# KiCad board TEST_PANEL.kicad_pcb (continued)
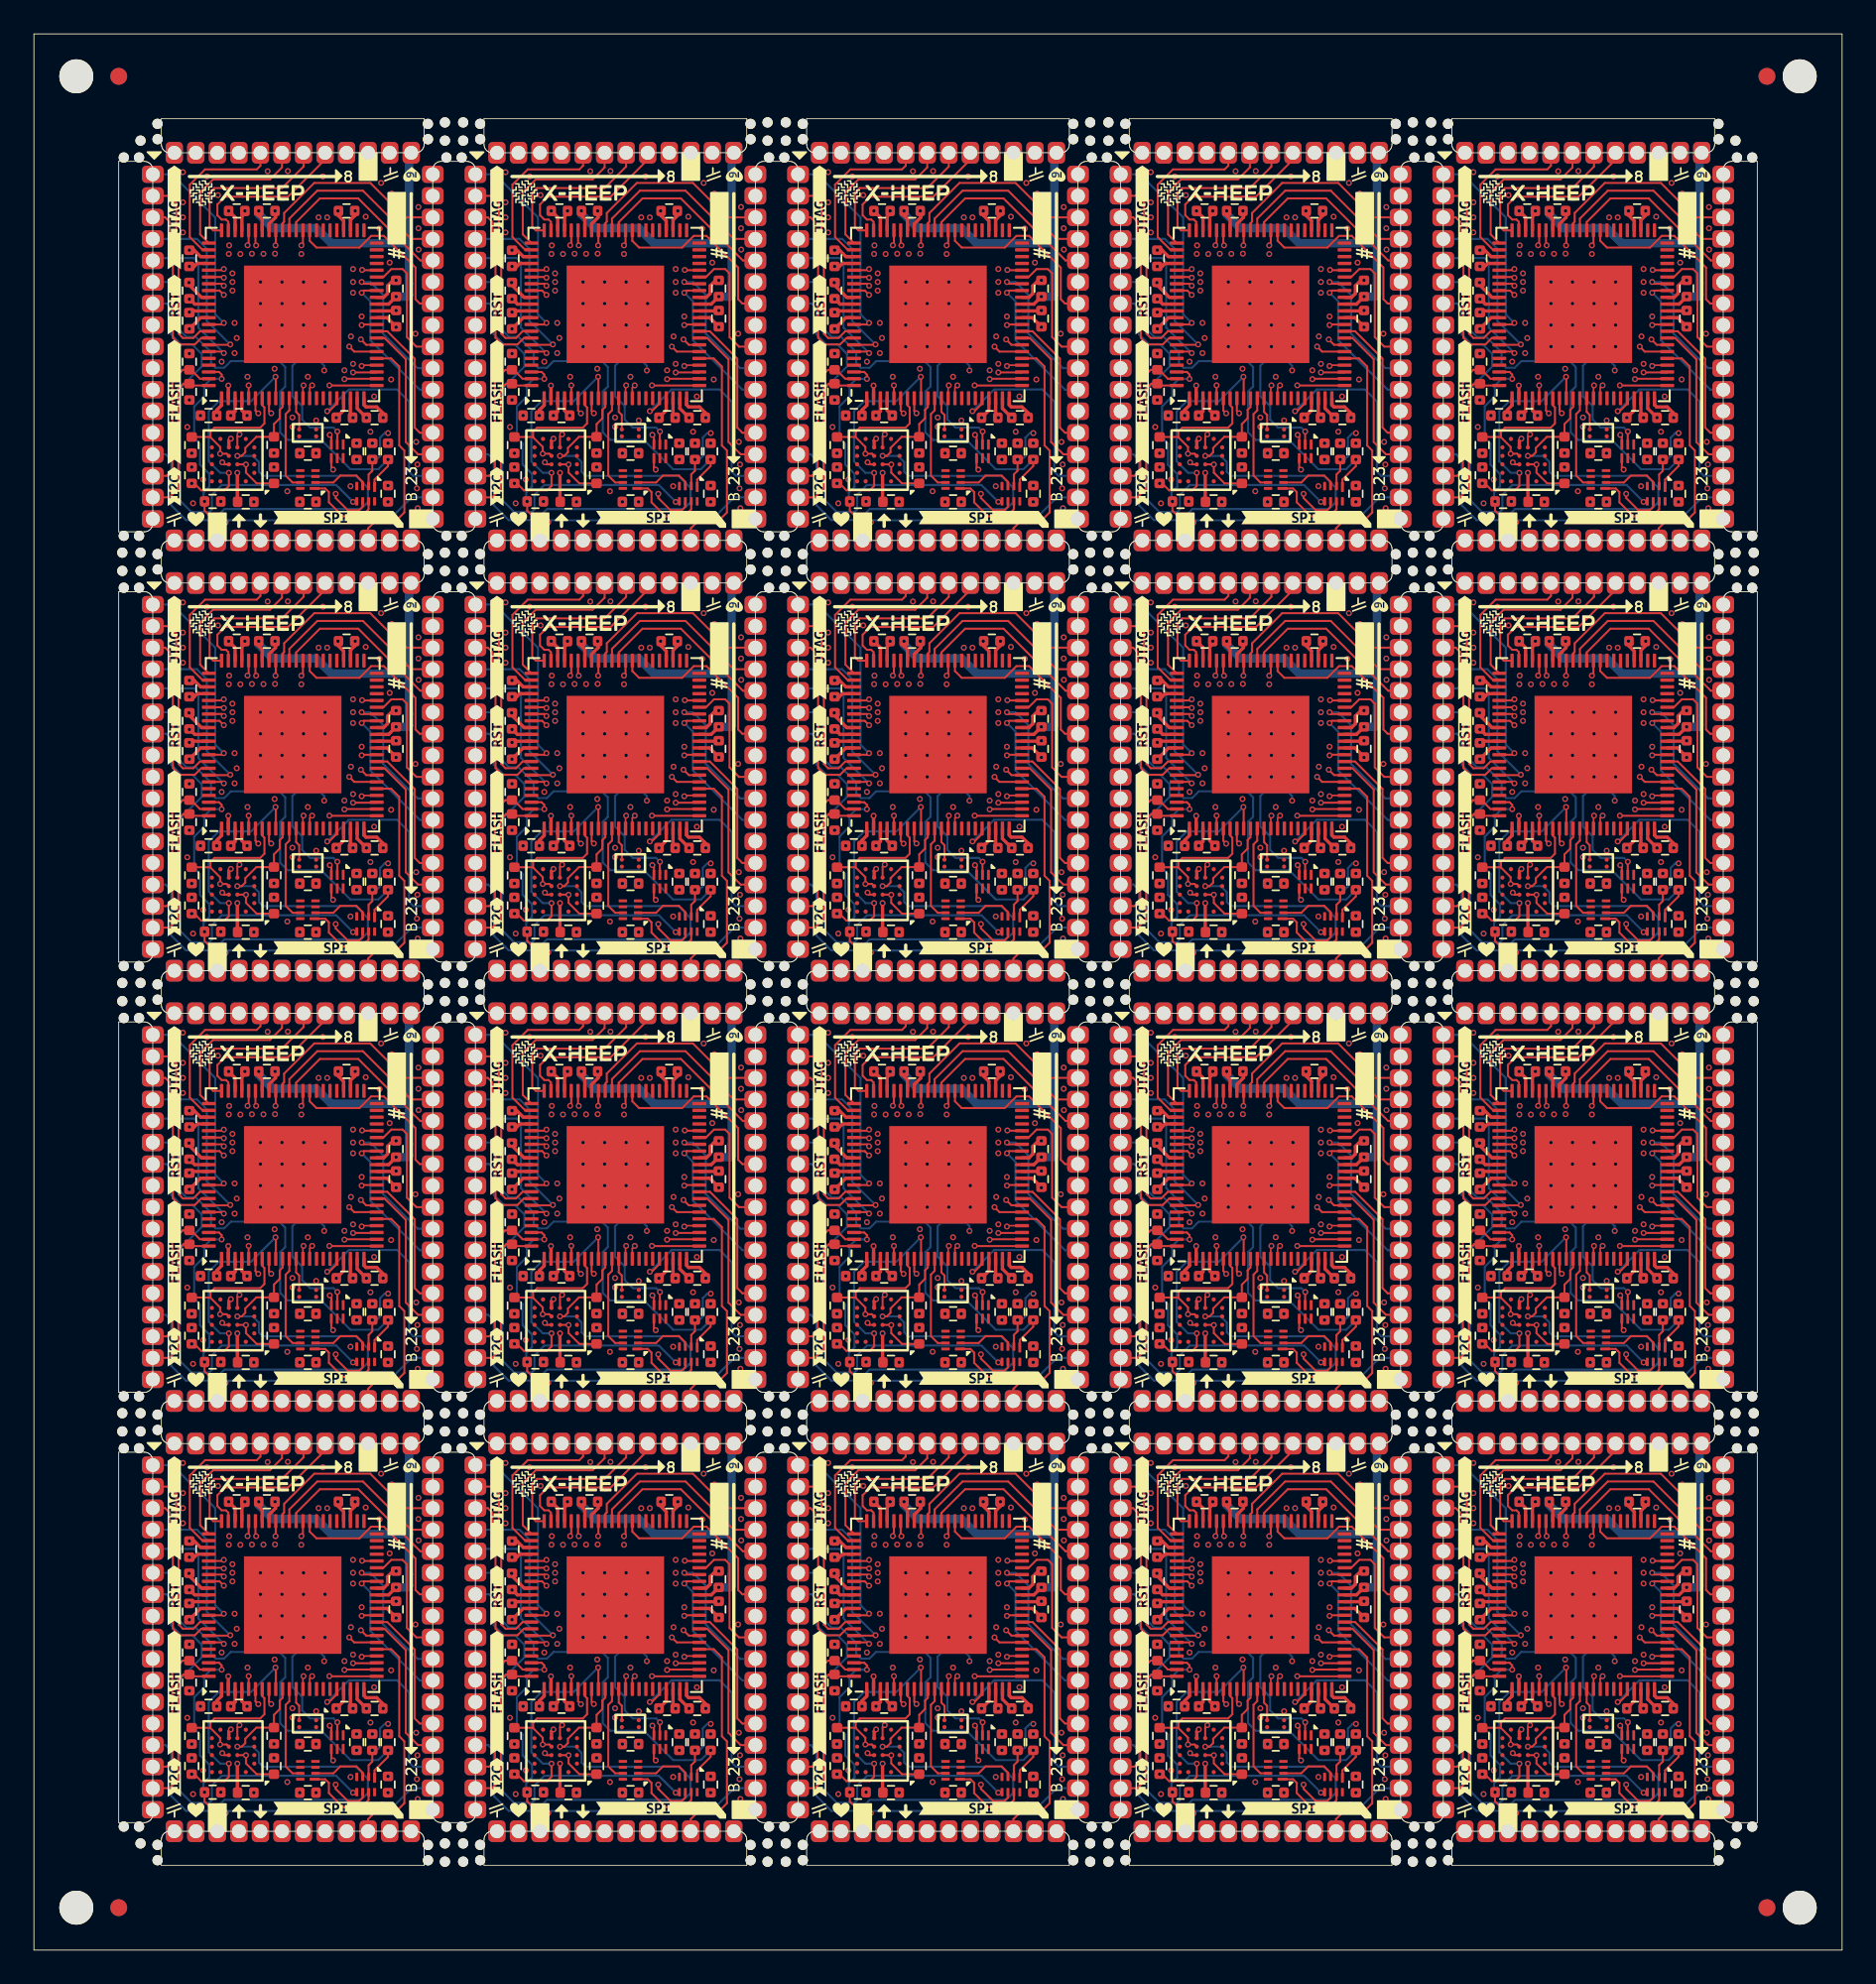
[diagram p0: board, top side]
## Placement (name value [footprint] x y rotation side) (continued)
R94  10K0  [R0402]  9.31 61.59 270 top
R95  10K0  [R0402]  14.16 63.38 90 top
R96  10K0  [R0402]  9.31 63.37 90 top
R97  10K0  [R0402]  14.16 61.59 270 top
R98  100K  [R0402]  20.88 63 270 top
R99  100K  [R0402]  19.95 63 270 top
R100  10K0  [R0402]  29.57 60.05 180 top
R101  10K0  [R0402]  28.19 66.51 90 top
R102  10K0  [R0402]  28.19 68.29 270 top
R103  10K0  [R0402]  28.33 61.59 270 top
R104  10K0  [R0402]  33.18 63.38 90 top
R105  10K0  [R0402]  28.33 63.37 90 top
R106  10K0  [R0402]  33.18 61.59 270 top
R107  100K  [R0402]  39.91 63 270 top
R108  100K  [R0402]  38.98 63 270 top
R109  10K0  [R0402]  48.59 60.05 180 top
R110  10K0  [R0402]  47.22 66.51 90 top
R111  10K0  [R0402]  47.22 68.29 270 top
R112  10K0  [R0402]  47.36 61.59 270 top
R113  10K0  [R0402]  52.21 63.38 90 top
R114  10K0  [R0402]  47.36 63.37 90 top
R115  10K0  [R0402]  52.21 61.59 270 top
R116  100K  [R0402]  58.93 63 270 top
R117  100K  [R0402]  58.01 63 270 top
R118  10K0  [R0402]  67.62 60.05 180 top
R119  10K0  [R0402]  66.25 66.51 90 top
R120  10K0  [R0402]  66.25 68.29 270 top
R121  10K0  [R0402]  66.38 61.59 270 top
R122  10K0  [R0402]  71.23 63.38 90 top
R123  10K0  [R0402]  66.38 63.37 90 top
R124  10K0  [R0402]  71.23 61.59 270 top
R125  100K  [R0402]  77.96 63 270 top
R126  100K  [R0402]  77.03 63 270 top
R127  10K0  [R0402]  86.65 60.05 180 top
R128  10K0  [R0402]  85.27 66.51 90 top
R129  10K0  [R0402]  85.27 68.29 270 top
R130  10K0  [R0402]  85.41 61.59 270 top
R131  10K0  [R0402]  90.26 63.38 90 top
R132  10K0  [R0402]  85.41 63.37 90 top
R133  10K0  [R0402]  90.26 61.59 270 top
R134  100K  [R0402]  96.98 63 270 top
R135  100K  [R0402]  96.06 63 270 top
R136  10K0  [R0402]  10.54 85.42 180 top
R137  10K0  [R0402]  9.17 91.88 90 top
R138  10K0  [R0402]  9.17 93.66 270 top
R139  10K0  [R0402]  9.31 86.96 270 top
R140  10K0  [R0402]  14.16 88.75 90 top
R141  10K0  [R0402]  9.31 88.74 90 top
R142  10K0  [R0402]  14.16 86.96 270 top
R143  100K  [R0402]  20.88 88.37 270 top
R144  100K  [R0402]  19.95 88.37 270 top
R145  10K0  [R0402]  29.57 85.42 180 top
R146  10K0  [R0402]  28.19 91.88 90 top
R147  10K0  [R0402]  28.19 93.66 270 top
R148  10K0  [R0402]  28.33 86.96 270 top
R149  10K0  [R0402]  33.18 88.75 90 top
R150  10K0  [R0402]  28.33 88.74 90 top
R151  10K0  [R0402]  33.18 86.96 270 top
R152  100K  [R0402]  39.91 88.37 270 top
R153  100K  [R0402]  38.98 88.37 270 top
R154  10K0  [R0402]  48.59 85.42 180 top
R155  10K0  [R0402]  47.22 91.88 90 top
R156  10K0  [R0402]  47.22 93.66 270 top
R157  10K0  [R0402]  47.36 86.96 270 top
R158  10K0  [R0402]  52.21 88.75 90 top
R159  10K0  [R0402]  47.36 88.74 90 top
R160  10K0  [R0402]  52.21 86.96 270 top
R161  100K  [R0402]  58.93 88.37 270 top
R162  100K  [R0402]  58.01 88.37 270 top
R163  10K0  [R0402]  67.62 85.42 180 top
R164  10K0  [R0402]  66.25 91.88 90 top
R165  10K0  [R0402]  66.25 93.66 270 top
R166  10K0  [R0402]  66.38 86.96 270 top
R167  10K0  [R0402]  71.23 88.75 90 top
R168  10K0  [R0402]  66.38 88.74 90 top
R169  10K0  [R0402]  71.23 86.96 270 top
R170  100K  [R0402]  77.96 88.37 270 top
R171  100K  [R0402]  77.03 88.37 270 top
R172  10K0  [R0402]  86.65 85.42 180 top
R173  10K0  [R0402]  85.27 91.88 90 top
R174  10K0  [R0402]  85.27 93.66 270 top
R175  10K0  [R0402]  85.41 86.96 270 top
R176  10K0  [R0402]  90.26 88.75 90 top
R177  10K0  [R0402]  85.41 88.74 90 top
R178  10K0  [R0402]  90.26 86.96 270 top
R179  100K  [R0402]  96.98 88.37 270 top
R180  100K  [R0402]  96.06 88.37 270 top
U1  -  [HEEPocrates]  15.26 20.34 90 top
U2  W25Q128JWYIQ  [WLCSP-21]  11.75 11.75 180 top
U3  ~  [X2SON-8]  19.56 9.76 270 top
U4  ~  [X2SON-8]  16.15 10.6 180 top
U5  ~  [X2SON-6]  17.89 12.26 270 top
U6  -  [HEEPocrates]  34.29 20.34 90 top
U7  W25Q128JWYIQ  [WLCSP-21]  30.77 11.75 180 top
U8  ~  [X2SON-8]  38.59 9.76 270 top
U9  ~  [X2SON-8]  35.18 10.6 180 top
U10  ~  [X2SON-6]  36.91 12.26 270 top
U11  -  [HEEPocrates]  53.31 20.34 90 top
U12  W25Q128JWYIQ  [WLCSP-21]  49.8 11.75 180 top
U13  ~  [X2SON-8]  57.61 9.76 270 top
U14  ~  [X2SON-8]  54.21 10.6 180 top
U15  ~  [X2SON-6]  55.94 12.26 270 top
U16  -  [HEEPocrates]  72.34 20.34 90 top
U17  W25Q128JWYIQ  [WLCSP-21]  68.82 11.75 180 top
U18  ~  [X2SON-8]  76.64 9.76 270 top
U19  ~  [X2SON-8]  73.23 10.6 180 top
U20  ~  [X2SON-6]  74.97 12.26 270 top
U21  -  [HEEPocrates]  91.37 20.34 90 top
U22  W25Q128JWYIQ  [WLCSP-21]  87.85 11.75 180 top
U23  ~  [X2SON-8]  95.67 9.76 270 top
U24  ~  [X2SON-8]  92.26 10.6 180 top
U25  ~  [X2SON-6]  93.99 12.26 270 top
U26  -  [HEEPocrates]  15.26 45.71 90 top
U27  W25Q128JWYIQ  [WLCSP-21]  11.75 37.12 180 top
U28  ~  [X2SON-8]  19.56 35.13 270 top
U29  ~  [X2SON-8]  16.15 35.97 180 top
U30  ~  [X2SON-6]  17.89 37.63 270 top
U31  -  [HEEPocrates]  34.29 45.71 90 top
U32  W25Q128JWYIQ  [WLCSP-21]  30.77 37.12 180 top
U33  ~  [X2SON-8]  38.59 35.13 270 top
U34  ~  [X2SON-8]  35.18 35.97 180 top
U35  ~  [X2SON-6]  36.91 37.63 270 top
U36  -  [HEEPocrates]  53.31 45.71 90 top
U37  W25Q128JWYIQ  [WLCSP-21]  49.8 37.12 180 top
U38  ~  [X2SON-8]  57.61 35.13 270 top
U39  ~  [X2SON-8]  54.21 35.97 180 top
U40  ~  [X2SON-6]  55.94 37.63 270 top
U41  -  [HEEPocrates]  72.34 45.71 90 top
U42  W25Q128JWYIQ  [WLCSP-21]  68.82 37.12 180 top
U43  ~  [X2SON-8]  76.64 35.13 270 top
U44  ~  [X2SON-8]  73.23 35.97 180 top
U45  ~  [X2SON-6]  74.97 37.63 270 top
U46  -  [HEEPocrates]  91.37 45.71 90 top
U47  W25Q128JWYIQ  [WLCSP-21]  87.85 37.12 180 top
U48  ~  [X2SON-8]  95.67 35.13 270 top
U49  ~  [X2SON-8]  92.26 35.97 180 top
U50  ~  [X2SON-6]  93.99 37.63 270 top
U51  -  [HEEPocrates]  15.26 71.08 90 top
U52  W25Q128JWYIQ  [WLCSP-21]  11.75 62.49 180 top
U53  ~  [X2SON-8]  19.56 60.5 270 top
U54  ~  [X2SON-8]  16.15 61.34 180 top
U55  ~  [X2SON-6]  17.89 63 270 top
U56  -  [HEEPocrates]  34.29 71.08 90 top
U57  W25Q128JWYIQ  [WLCSP-21]  30.77 62.49 180 top
U58  ~  [X2SON-8]  38.59 60.5 270 top
U59  ~  [X2SON-8]  35.18 61.34 180 top
U60  ~  [X2SON-6]  36.91 63 270 top
U61  -  [HEEPocrates]  53.31 71.08 90 top
U62  W25Q128JWYIQ  [WLCSP-21]  49.8 62.49 180 top
U63  ~  [X2SON-8]  57.61 60.5 270 top
U64  ~  [X2SON-8]  54.21 61.34 180 top
U65  ~  [X2SON-6]  55.94 63 270 top
U66  -  [HEEPocrates]  72.34 71.08 90 top
U67  W25Q128JWYIQ  [WLCSP-21]  68.82 62.49 180 top
U68  ~  [X2SON-8]  76.64 60.5 270 top
U69  ~  [X2SON-8]  73.23 61.34 180 top
U70  ~  [X2SON-6]  74.97 63 270 top
U71  -  [HEEPocrates]  91.37 71.08 90 top
U72  W25Q128JWYIQ  [WLCSP-21]  87.85 62.49 180 top
U73  ~  [X2SON-8]  95.67 60.5 270 top
U74  ~  [X2SON-8]  92.26 61.34 180 top
U75  ~  [X2SON-6]  93.99 63 270 top
U76  -  [HEEPocrates]  15.26 96.46 90 top
U77  W25Q128JWYIQ  [WLCSP-21]  11.75 87.86 180 top
U78  ~  [X2SON-8]  19.56 85.88 270 top
U79  ~  [X2SON-8]  16.15 86.71 180 top
U80  ~  [X2SON-6]  17.89 88.37 270 top
U81  -  [HEEPocrates]  34.29 96.46 90 top
U82  W25Q128JWYIQ  [WLCSP-21]  30.77 87.86 180 top
U83  ~  [X2SON-8]  38.59 85.88 270 top
U84  ~  [X2SON-8]  35.18 86.71 180 top
U85  ~  [X2SON-6]  36.91 88.37 270 top
U86  -  [HEEPocrates]  53.31 96.46 90 top
U87  W25Q128JWYIQ  [WLCSP-21]  49.8 87.86 180 top
U88  ~  [X2SON-8]  57.61 85.88 270 top
U89  ~  [X2SON-8]  54.21 86.71 180 top
U90  ~  [X2SON-6]  55.94 88.37 270 top
U91  -  [HEEPocrates]  72.34 96.46 90 top
U92  W25Q128JWYIQ  [WLCSP-21]  68.82 87.86 180 top
U93  ~  [X2SON-8]  76.64 85.88 270 top
U94  ~  [X2SON-8]  73.23 86.71 180 top
U95  ~  [X2SON-6]  74.97 88.37 270 top
U96  -  [HEEPocrates]  91.37 96.46 90 top
U97  W25Q128JWYIQ  [WLCSP-21]  87.85 87.86 180 top
U98  ~  [X2SON-8]  95.67 85.88 270 top
U99  ~  [X2SON-8]  92.26 86.71 180 top
U100  ~  [X2SON-6]  93.99 88.37 270 top

## Library data of the parts
C1-C340 = -: Datasheet: https://www.mouser.es/datasheet/2/281/1/GRM155R71A104JA01_01A-1984196.pdf; Description: Multilayer Ceramic Capacitors MLCC - SMD/SMT 0.1 uF 10 VDC 5% 0402 X7R; MPN: GRM155R71A104JA01D
J1-J20 = -: Description: CHEEP_Board_Castellated_Conn_1.27mm
OSC1-OSC20 = -: Datasheet: https://www.mouser.es/datasheet/2/371/SiT1532_datasheet-1324404.pdf; Description: Standard Clock Oscillators 32.768kHz 75ppm -10C +70C
R1-R7 R10-R16 R19-R25 R28-R34 R37-R43 R46-R52 R55-R61 R64-R70 R73-R79 R82-R88 R91-R97 R100-R106 R109-R115 R118-R124 R127-R133 R136-R142 R145-R151 R154-R160 R163-R169 R172-R178 = -: Datasheet: https://www.vishay.com/doc?20043; Description: Thick Film Resistors - SMD 0.2W 10Kohms 1% High Power AEC-Q200; MPN: CRCW040210K0FKEDHP
R8 R9 R17 R18 R26 R27 R35 R36 R44 R45 R53 R54 R62 R63 R71 R72 R80 R81 R89 R90 R98 R99 R107 R108 R116 R117 R125 R126 R134 R135 R143 R144 R152 R153 R161 R162 R170 R171 R179 R180 = -: Datasheet: https://www.vishay.com/doc?28773; Description: Thick Film Resistors - SMD 1/16watt 100Kohms 1% Commercial Use; MPN: CRCW0402100KFKEDC
U1 U6 U11 U16 U21 U26 U31 U36 U41 U46 U51 U56 U61 U66 U71 U76 U81 U86 U91 U96 = -: Datasheet: https://x-heep.readthedocs.io/en/latest/
U2 U7 U12 U17 U22 U27 U32 U37 U42 U47 U52 U57 U62 U67 U72 U77 U82 U87 U92 U97 = -: Datasheet: https://www.mouser.es/datasheet/2/949/W25Q128JW_RevB_11042019-1761358.pdf; Description: NOR Flash spiFlash, 1.8V, 128M-bit, 4Kb Uniform Sector
U3 U4 U8 U9 U13 U14 U18 U19 U23 U24 U28 U29 U33 U34 U38 U39 U43 U44 U48 U49 U53 U54 U58 U59 U63 U64 U68 U69 U73 U74 U78 U79 U83 U84 U88 U89 U93 U94 U98 U99 = -: Datasheet: https://www.ti.com/lit/gpn/sn74aup2g08; Description: Logic Gates Low-Pwr Dual 2-Inp Pos-AND Gate; MPN: SN74AUP2G08DQER
U5 U10 U15 U20 U25 U30 U35 U40 U45 U50 U55 U60 U65 U70 U75 U80 U85 U90 U95 U100 = -: Datasheet: https://www.ti.com/lit/gpn/sn74aup1g14; Description: Inverters Low-Pwr Sgl Schmitt- Trigger Inverter; MPN: SN74AUP1G14DSFR

## Footprints (pads in the part's own frame, mm; a bottom-side part is the same pattern mirrored in y, then rotated)
C0402
  rrect 0.57x0.62 smd: 1(-0.48,0) 2(0.48,0)
CHEEP_Board_Castellated_Conn_1.27mm
  rrect 1.28x1.02 hole 0.82: 1(-8.255,11.43) 2(-8.255,10.16) 3(-8.255,8.89) 4(-8.255,7.62) 5(-8.255,6.35) 6(-8.255,5.08) 7(-8.255,3.81) 8(-8.255,2.54) 9(-8.255,1.27) 10(-8.255,0) 11(-8.255,-1.27) 12(-8.255,-2.54) 13(-8.255,-3.81) 14(-8.255,-5.08) 15(-8.255,-6.35) 16(-8.255,-7.62) 17(-8.255,-8.89) 30(8.255,-8.89) 31(8.255,-7.62) 32(8.255,-6.35) 33(8.255,-5.08) 34(8.255,-3.81) 35(8.255,-2.54) 36(8.255,-1.27) 37(8.255,0) 38(8.255,1.27) 39(8.255,2.54) 40(8.255,3.81) 41(8.255,5.08) 42(8.255,6.35) 43(8.255,7.62) 44(8.255,8.89) 45(8.255,10.16) 46(8.255,11.43)
  rrect 1.02x1.28 hole 0.82: 18(-6.985,-10.16) 19(-5.715,-10.16) 20(-4.445,-10.16) 21(-3.175,-10.16) 22(-1.905,-10.16) 23(-0.635,-10.16) 24(0.635,-10.16) 25(1.905,-10.16) 26(3.175,-10.16) 27(4.445,-10.16) 28(5.715,-10.16) 29(6.985,-10.16) 47(6.985,12.7) 48(5.715,12.7) 49(4.445,12.7) 50(3.175,12.7) 51(1.905,12.7) 52(0.635,12.7) 53(-0.635,12.7) 54(-1.905,12.7) 55(-3.175,12.7) 56(-4.445,12.7) 57(-5.715,12.7) 58(-6.985,12.7)
Fiducial
  round 1 smd: (0,0)
HEEPocrates
  rrect 1.02x1.02 smd: (-1.27,1.27) (-1.27,0) (-1.27,-1.27) (0,1.27) (0,0) (0,-1.27) (1.27,1.27) (1.27,0) (1.27,-1.27)
  rrect 0.825x0.2 smd: 1(-4.95,4.2) 2(-4.95,3.8) 3(-4.95,3.4) 4(-4.95,3) 5(-4.95,2.6) 6(-4.95,2.2) 7(-4.95,1.8) 8(-4.95,1.4) 9(-4.95,1) 10(-4.95,0.6) 11(-4.95,0.2) 12(-4.95,-0.2) 13(-4.95,-0.6) 14(-4.95,-1) 15(-4.95,-1.4) 16(-4.95,-1.8) 17(-4.95,-2.2) 18(-4.95,-2.6) 19(-4.95,-3) 20(-4.95,-3.4) 21(-4.95,-3.8) 22(-4.95,-4.2) 45(4.95,-4.2) 46(4.95,-3.8) 47(4.95,-3.4) 48(4.95,-3) 49(4.95,-2.6) 50(4.95,-2.2) 51(4.95,-1.8) 52(4.95,-1.4) 53(4.95,-1) 54(4.95,-0.6) 55(4.95,-0.2) 56(4.95,0.2) 57(4.95,0.6) 58(4.95,1) 59(4.95,1.4) 60(4.95,1.8) 61(4.95,2.2) 62(4.95,2.6) 63(4.95,3) 64(4.95,3.4) 65(4.95,3.8) 66(4.95,4.2)
  rrect 0.2x0.825 smd: 23(-4.2,-4.95) 24(-3.8,-4.95) 25(-3.4,-4.95) 26(-3,-4.95) 27(-2.6,-4.95) 28(-2.2,-4.95) 29(-1.8,-4.95) 30(-1.4,-4.95) 31(-1,-4.95) 32(-0.6,-4.95) 33(-0.2,-4.95) 34(0.2,-4.95) 35(0.6,-4.95) 36(1,-4.95) 37(1.4,-4.95) 38(1.8,-4.95) 39(2.2,-4.95) 40(2.6,-4.95) 41(3,-4.95) 42(3.4,-4.95) 43(3.8,-4.95) 44(4.2,-4.95) 67(4.2,4.95) 68(3.8,4.95) 69(3.4,4.95) 70(3,4.95) 71(2.6,4.95) 72(2.2,4.95) 73(1.8,4.95) 74(1.4,4.95) 75(1,4.95) 76(0.6,4.95) 77(0.2,4.95) 78(-0.2,4.95) 79(-0.6,4.95) 80(-1,4.95) 81(-1.4,4.95) 82(-1.8,4.95) 83(-2.2,4.95) 84(-2.6,4.95) 85(-3,4.95) 86(-3.4,4.95) 87(-3.8,4.95) 88(-4.2,4.95)
  rect 5.75x5.75 smd: 89(0,0)
NPTH
  round 0.6 hole 0.6 unplated: (-0.1,-0.218)
NPTH#2
  round 0.6 hole 0.6 unplated: (0.234,0)
NPTH#3
  round 2 hole 2 unplated: (0.3,0.089)
R0402
  rrect 0.57x0.62 smd: 1(-0.48,0) 2(0.48,0)
SIT1532AC
  round 0.25 smd: 1(-0.5,-0.205) 2(0.5,-0.205) 3(0.5,0.205) 4(-0.5,0.205)
unnamed
  round 0.6 hole 0.6 unplated: (-0.074,0)
unnamed#2
  round 0.6 hole 0.6 unplated: (0,0)
unnamed#3
  round 2 hole 2 unplated: (-0.57,-0.015)
WLCSP-21
  round 0.25 smd: A2(-0.75,1.25) A5(0.75,1.25) A6(1.25,1.25) B1(-1.25,0.75) B3(-0.25,0.75) B4(0.25,0.75) B6(1.25,0.75) C1(-1.25,0.25) C3(-0.25,0.25) C4(0.25,0.25) C6(1.25,0.25) D1(-1.25,-0.25) D3(-0.25,-0.25) D4(0.25,-0.25) D6(1.25,-0.25) E1(-1.25,-0.75) E3(-0.25,-0.75) E4(0.25,-0.75) E6(1.25,-0.75) F2(-0.75,-1.25) F5(0.75,-1.25)
X2SON-6
  rrect 0.6x0.17 smd: 1(-0.4,0.35) 2(-0.4,0) 3(-0.4,-0.35) 4(0.4,-0.35) 5(0.4,0) 6(0.4,0.35)
X2SON-8
  rrect 0.6x0.175 smd: 1(-0.4,0.525)
  rrect 0.5x0.175 smd: 2(-0.45,0.175) 3(-0.45,-0.175) 4(-0.45,-0.525) 5(0.45,-0.525) 6(0.45,-0.175) 7(0.45,0.175) 8(0.45,0.525)

## Nets
Board_15-+1V8: C1.2 C2.2 C3.2 C4.2 C5.2 C6.2 C13.2 C14.2 C15.2 C16.2 C17.2 C18.2 C19.2 C20.2 C21.2 C22.2 C23.2 C30.2 C31.2 C32.2 C33.2 C34.2 C35.2 C36.2 C37.2 C38.2 C39.2 C40.2 C47.2 C48.2 C49.2 C50.2 C51.2 C52.2 C53.2 C54.2 C55.2 C56.2 C57.2 C64.2 C65.2 C66.2 C67.2 C68.2 C69.2 C70.2 C71.2 C72.2 C73.2 C74.2 C81.2 C82.2 C83.2 C84.2 C85.2 C86.2 C87.2 C88.2 C89.2 C90.2 C91.2 C98.2 C99.2 C100.2 C101.2 C102.2 C103.2 C104.2 C105.2 C106.2 C107.2 C108.2 C115.2 C116.2 C117.2 C118.2 C119.2 C120.2 C121.2 C122.2 C123.2 C124.2 C125.2 C132.2 C133.2 C134.2 C135.2 C136.2 C137.2 C138.2 C139.2 C140.2 C141.2 C142.2 C149.2 C150.2 C151.2 C152.2 C153.2 C154.2 C155.2 C156.2 C157.2 C158.2 C159.2 C166.2 C167.2 C168.2 C169.2 C170.2 C171.2 C172.2 C173.2 C174.2 C175.2 C176.2 C183.2 C184.2 C185.2 C186.2 C187.2 C188.2 C189.2 C190.2 C191.2 C192.2 C193.2 C200.2 C201.2 C202.2 C203.2 C204.2 C205.2 C206.2 C207.2 C208.2 C209.2 C210.2 C217.2 C218.2 C219.2 C220.2 C221.2 C222.2 C223.2 C224.2 C225.2 C226.2 C227.2 C234.2 C235.2 C236.2 C237.2 C238.2 C239.2 C240.2 C241.2 C242.2 C243.2 C244.2 C251.2 C252.2 C253.2 C254.2 C255.2 C256.2 C257.2 C258.2 C259.2 C260.2 C261.2 C268.2 C269.2 C270.2 C271.2 C272.2 C273.2 C274.2 C275.2 C276.2 C277.2 C278.2 C285.2 C286.2 C287.2 C288.2 C289.2 C290.2 C291.2 C292.2 C293.2 C294.2 C295.2 C302.2 C303.2 C304.2 C305.2 C306.2 C307.2 C308.2 C309.2 C310.2 C311.2 C312.2 C319.2 C320.2 C321.2 C322.2 C323.2 C324.2 C325.2 C326.2 C327.2 C328.2 C329.2 C336.2 C337.2 C338.2 C339.2 C340.2 J1.18 J1.48 J2.18 J2.48 J3.18 J3.48 J4.18 J4.48 J5.18 J5.48 J6.18 J6.48 J7.18 J7.48 J8.18 J8.48 J9.18 J9.48 J10.18 J10.48 J11.18 J11.48 J12.18 J12.48 J13.18 J13.48 J14.18 J14.48 J15.18 J15.48 J16.18 J16.48 J17.18 J17.48 J18.18 J18.48 J19.18 J19.48 J20.18 J20.48 OSC1.3 OSC2.3 OSC3.3 OSC4.3 OSC5.3 OSC6.3 OSC7.3 OSC8.3 OSC9.3 OSC10.3 OSC11.3 OSC12.3 OSC13.3 OSC14.3 OSC15.3 OSC16.3 OSC17.3 OSC18.3 OSC19.3 OSC20.3 R1.1 R2.1 R3.1 R4.1 R5.1 R6.1 R7.1 R8.1 R9.1 R10.1 R11.1 R12.1 R13.1 R14.1 R15.1 R16.1 R17.1 R18.1 R19.1 R20.1 R21.1 R22.1 R23.1 R24.1 R25.1 R26.1 R27.1 R28.1 R29.1 R30.1 R31.1 R32.1 R33.1 R34.1 R35.1 R36.1 R37.1 R38.1 R39.1 R40.1 R41.1 R42.1 R43.1 R44.1 R45.1 R46.1 R47.1 R48.1 R49.1 R50.1 R51.1 R52.1 R53.1 R54.1 R55.1 R56.1 R57.1 R58.1 R59.1 R60.1 R61.1 R62.1 R63.1 R64.1 R65.1 R66.1 R67.1 R68.1 R69.1 R70.1 R71.1 R72.1 R73.1 R74.1 R75.1 R76.1 R77.1 R78.1 R79.1 R80.1 R81.1 R82.1 R83.1 R84.1 R85.1 R86.1 R87.1 R88.1 R89.1 R90.1 R91.1 R92.1 R93.1 R94.1 R95.1 R96.1 R97.1 R98.1 R99.1 R100.1 R101.1 R102.1 R103.1 R104.1 R105.1 R106.1 R107.1 R108.1 R109.1 R110.1 R111.1 R112.1 R113.1 R114.1 R115.1 R116.1 R117.1 R118.1 R119.1 R120.1 R121.1 R122.1 R123.1 R124.1 R125.1 R126.1 R127.1 R128.1 R129.1 R130.1 R131.1 R132.1 R133.1 R134.1 R135.1 R136.1 R137.1 R138.1 R139.1 R140.1 R141.1 R142.1 R143.1 R144.1 R145.1 R146.1 R147.1 R148.1 R149.1 R150.1 R151.1 R152.1 R153.1 R154.1 R155.1 R156.1 R157.1 R158.1 R159.1 R160.1 R161.1 R162.1 R163.1 R164.1 R165.1 R166.1 R167.1 R168.1 R169.1 R170.1 R171.1 R172.1 R173.1 R174.1 R175.1 R176.1 R177.1 R178.1 R179.1 R180.1 U1.3 U1.19 U1.33 U1.48 U1.64 U1.78 U2.B3 U3.8 U4.8 U5.6 U6.3 U6.19 U6.33 U6.48 U6.64 U6.78 U7.B3 U8.8 U9.8 U10.6 U11.3 U11.19 U11.33 U11.48 U11.64 U11.78 U12.B3 U13.8 U14.8 U15.6 U16.3 U16.19 U16.33 U16.48 U16.64 U16.78 U17.B3 U18.8 U19.8 U20.6 U21.3 U21.19 U21.33 U21.48 U21.64 U21.78 U22.B3 U23.8 U24.8 U25.6 U26.3 U26.19 U26.33 U26.48 U26.64 U26.78 U27.B3 U28.8 U29.8 U30.6 U31.3 U31.19 U31.33 U31.48 U31.64 U31.78 U32.B3 U33.8 U34.8 U35.6 U36.3 U36.19 U36.33 U36.48 U36.64 U36.78 U37.B3 U38.8 U39.8 U40.6 U41.3 U41.19 U41.33 U41.48 U41.64 U41.78 U42.B3 U43.8 U44.8 U45.6 U46.3 U46.19 U46.33 U46.48 U46.64 U46.78 U47.B3 U48.8 U49.8 U50.6 U51.3 U51.19 U51.33 U51.48 U51.64 U51.78 U52.B3 U53.8 U54.8 U55.6 U56.3 U56.19 U56.33 U56.48 U56.64 U56.78 U57.B3 U58.8 U59.8 U60.6 U61.3 U61.19 U61.33 U61.48 U61.64 U61.78 U62.B3 U63.8 U64.8 U65.6 U66.3 U66.19 U66.33 U66.48 U66.64 U66.78 U67.B3 U68.8 U69.8 U70.6 U71.3 U71.19 U71.33 U71.48 U71.64 U71.78 U72.B3 U73.8 U74.8 U75.6 U76.3 U76.19 U76.33 U76.48 U76.64 U76.78 U77.B3 U78.8 U79.8 U80.6 U81.3 U81.19 U81.33 U81.48 U81.64 U81.78 U82.B3 U83.8 U84.8 U85.6 U86.3 U86.19 U86.33 U86.48 U86.64 U86.78 U87.B3 U88.8 U89.8 U90.6 U91.3 U91.19 U91.33 U91.48 U91.64 U91.78 U92.B3 U93.8 U94.8 U95.6 U96.3 U96.19 U96.33 U96.48 U96.64 U96.78 U97.B3 U98.8 U99.8 U100.6
Board_15-/[1] HEEPocrates/REF_CLK_IN: OSC1.2 OSC2.2 OSC3.2 OSC4.2 OSC5.2 OSC6.2 OSC7.2 OSC8.2 OSC9.2 OSC10.2 OSC11.2 OSC12.2 OSC13.2 OSC14.2 OSC15.2 OSC16.2 OSC17.2 OSC18.2 OSC19.2 OSC20.2 U1.12 U6.12 U11.12 U16.12 U21.12 U26.12 U31.12 U36.12 U41.12 U46.12 U51.12 U56.12 U61.12 U66.12 U71.12 U76.12 U81.12 U86.12 U91.12 U96.12
Board_15-/[2] Connectors & Flash/nSOC_RST: U3.6 U5.4 U8.6 U10.4 U13.6 U15.4 U18.6 U20.4 U23.6 U25.4 U28.6 U30.4 U33.6 U35.4 U38.6 U40.4 U43.6 U45.4 U48.6 U50.4 U53.6 U55.4 U58.6 U60.4 U63.6 U65.4 U68.6 U70.4 U73.6 U75.4 U78.6 U80.4 U83.6 U85.4 U88.6 U90.4 U93.6 U95.4 U98.6 U100.4
Board_15-/[2] Connectors & Flash/RST_A: U3.7 U4.1 U8.7 U9.1 U13.7 U14.1 U18.7 U19.1 U23.7 U24.1 U28.7 U29.1 U33.7 U34.1 U38.7 U39.1 U43.7 U44.1 U48.7 U49.1 U53.7 U54.1 U58.7 U59.1 U63.7 U64.1 U68.7 U69.1 U73.7 U74.1 U78.7 U79.1 U83.7 U84.1 U88.7 U89.1 U93.7 U94.1 U98.7 U99.1
Board_15-/[2] Connectors & Flash/RST_B: U3.3 U4.2 U8.3 U9.2 U13.3 U14.2 U18.3 U19.2 U23.3 U24.2 U28.3 U29.2 U33.3 U34.2 U38.3 U39.2 U43.3 U44.2 U48.3 U49.2 U53.3 U54.2 U58.3 U59.2 U63.3 U64.2 U68.3 U69.2 U73.3 U74.2 U78.3 U79.2 U83.3 U84.2 U88.3 U89.2 U93.3 U94.2 U98.3 U99.2
Board_15-BOOT_SEL_EXT: J1.31 J2.31 J3.31 J4.31 J5.31 J6.31 J7.31 J8.31 J9.31 J10.31 J11.31 J12.31 J13.31 J14.31 J15.31 J16.31 J17.31 J18.31 J19.31 J20.31 R1.2 R10.2 R19.2 R28.2 R37.2 R46.2 R55.2 R64.2 R73.2 R82.2 R91.2 R100.2 R109.2 R118.2 R127.2 R136.2 R145.2 R154.2 R163.2 R172.2 U1.86 U6.86 U11.86 U16.86 U21.86 U26.86 U31.86 U36.86 U41.86 U46.86 U51.86 U56.86 U61.86 U66.86 U71.86 U76.86 U81.86 U86.86 U91.86 U96.86
Board_15-FLASH_CS: J1.11 J2.11 J3.11 J4.11 J5.11 J6.11 J7.11 J8.11 J9.11 J10.11 J11.11 J12.11 J13.11 J14.11 J15.11 J16.11 J17.11 J18.11 J19.11 J20.11 R4.2 R13.2 R22.2 R31.2 R40.2 R49.2 R58.2 R67.2 R76.2 R85.2 R94.2 R103.2 R112.2 R121.2 R130.2 R139.2 R148.2 R157.2 R166.2 R175.2 U1.9 U2.B4 U6.9 U7.B4 U11.9 U12.B4 U16.9 U17.B4 U21.9 U22.B4 U26.9 U27.B4 U31.9 U32.B4 U36.9 U37.B4 U41.9 U42.B4 U46.9 U47.B4 U51.9 U52.B4 U56.9 U57.B4 U61.9 U62.B4 U66.9 U67.B4 U71.9 U72.B4 U76.9 U77.B4 U81.9 U82.B4 U86.9 U87.B4 U91.9 U92.B4 U96.9 U97.B4
Board_15-FLASH_MISO: J1.10 J2.10 J3.10 J4.10 J5.10 J6.10 J7.10 J8.10 J9.10 J10.10 J11.10 J12.10 J13.10 J14.10 J15.10 J16.10 J17.10 J18.10 J19.10 J20.10 U1.6 U2.C4 U6.6 U7.C4 U11.6 U12.C4 U16.6 U17.C4 U21.6 U22.C4 U26.6 U27.C4 U31.6 U32.C4 U36.6 U37.C4 U41.6 U42.C4 U46.6 U47.C4 U51.6 U52.C4 U56.6 U57.C4 U61.6 U62.C4 U66.6 U67.C4 U71.6 U72.C4 U76.6 U77.C4 U81.6 U82.C4 U86.6 U87.C4 U91.6 U92.C4 U96.6 U97.C4
Board_15-FLASH_MOSI: J1.9 J2.9 J3.9 J4.9 J5.9 J6.9 J7.9 J8.9 J9.9 J10.9 J11.9 J12.9 J13.9 J14.9 J15.9 J16.9 J17.9 J18.9 J19.9 J20.9 U1.5 U2.E3 U6.5 U7.E3 U11.5 U12.E3 U16.5 U17.E3 U21.5 U22.E3 U26.5 U27.E3 U31.5 U32.E3 U36.5 U37.E3 U41.5 U42.E3 U46.5 U47.E3 U51.5 U52.E3 U56.5 U57.E3 U61.5 U62.E3 U66.5 U67.E3 U71.5 U72.E3 U76.5 U77.E3 U81.5 U82.E3 U86.5 U87.E3 U91.5 U92.E3 U96.5 U97.E3
Board_15-FLASH_nHLD_nRST: J1.13 J2.13 J3.13 J4.13 J5.13 J6.13 J7.13 J8.13 J9.13 J10.13 J11.13 J12.13 J13.13 J14.13 J15.13 J16.13 J17.13 J18.13 J19.13 J20.13 R7.2 R16.2 R25.2 R34.2 R43.2 R52.2 R61.2 R70.2 R79.2 R88.2 R97.2 R106.2 R115.2 R124.2 R133.2 R142.2 R151.2 R160.2 R169.2 R178.2 U1.8 U2.C3 U6.8 U7.C3 U11.8 U12.C3 U16.8 U17.C3 U21.8 U22.C3 U26.8 U27.C3 U31.8 U32.C3 U36.8 U37.C3 U41.8 U42.C3 U46.8 U47.C3 U51.8 U52.C3 U56.8 U57.C3 U61.8 U62.C3 U66.8 U67.C3 U71.8 U72.C3 U76.8 U77.C3 U81.8 U82.C3 U86.8 U87.C3 U91.8 U92.C3 U96.8 U97.C3
Board_15-FLASH_nWP: J1.12 J2.12 J3.12 J4.12 J5.12 J6.12 J7.12 J8.12 J9.12 J10.12 J11.12 J12.12 J13.12 J14.12 J15.12 J16.12 J17.12 J18.12 J19.12 J20.12 R6.2 R15.2 R24.2 R33.2 R42.2 R51.2 R60.2 R69.2 R78.2 R87.2 R96.2 R105.2 R114.2 R123.2 R132.2 R141.2 R150.2 R159.2 R168.2 R177.2 U1.7 U2.D4 U6.7 U7.D4 U11.7 U12.D4 U16.7 U17.D4 U21.7 U22.D4 U26.7 U27.D4 U31.7 U32.D4 U36.7 U37.D4 U41.7 U42.D4 U46.7 U47.D4 U51.7 U52.D4 U56.7 U57.D4 U61.7 U62.D4 U66.7 U67.D4 U71.7 U72.D4 U76.7 U77.D4 U81.7 U82.D4 U86.7 U87.D4 U91.7 U92.D4 U96.7 U97.D4
Board_15-FLASH_SCK: J1.14 J2.14 J3.14 J4.14 J5.14 J6.14 J7.14 J8.14 J9.14 J10.14 J11.14 J12.14 J13.14 J14.14 J15.14 J16.14 J17.14 J18.14 J19.14 J20.14 R5.2 R14.2 R23.2 R32.2 R41.2 R50.2 R59.2 R68.2 R77.2 R86.2 R95.2 R104.2 R113.2 R122.2 R131.2 R140.2 R149.2 R158.2 R167.2 R176.2 U1.10 U2.D3 U6.10 U7.D3 U11.10 U12.D3 U16.10 U17.D3 U21.10 U22.D3 U26.10 U27.D3 U31.10 U32.D3 U36.10 U37.D3 U41.10 U42.D3 U46.10 U47.D3 U51.10 U52.D3 U56.10 U57.D3 U61.10 U62.D3 U66.10 U67.D3 U71.10 U72.D3 U76.10 U77.D3 U81.10 U82.D3 U86.10 U87.D3 U91.10 U92.D3 U96.10 U97.D3
Board_15-GND: C1.1 C2.1 C3.1 C4.1 C5.1 C6.1 C7.1 C8.1 C9.1 C10.1 C11.1 C12.1 C13.1 C14.1 C15.1 C16.1 C17.1 C18.1 C19.1 C20.1 C21.1 C22.1 C23.1 C24.1 C25.1 C26.1 C27.1 C28.1 C29.1 C30.1 C31.1 C32.1 C33.1 C34.1 C35.1 C36.1 C37.1 C38.1 C39.1 C40.1 C41.1 C42.1 C43.1 C44.1 C45.1 C46.1 C47.1 C48.1 C49.1 C50.1 C51.1 C52.1 C53.1 C54.1 C55.1 C56.1 C57.1 C58.1 C59.1 C60.1 C61.1 C62.1 C63.1 C64.1 C65.1 C66.1 C67.1 C68.1 C69.1 C70.1 C71.1 C72.1 C73.1 C74.1 C75.1 C76.1 C77.1 C78.1 C79.1 C80.1 C81.1 C82.1 C83.1 C84.1 C85.1 C86.1 C87.1 C88.1 C89.1 C90.1 C91.1 C92.1 C93.1 C94.1 C95.1 C96.1 C97.1 C98.1 C99.1 C100.1 C101.1 C102.1 C103.1 C104.1 C105.1 C106.1 C107.1 C108.1 C109.1 C110.1 C111.1 C112.1 C113.1 C114.1 C115.1 C116.1 C117.1 C118.1 C119.1 C120.1 C121.1 C122.1 C123.1 C124.1 C125.1 C126.1 C127.1 C128.1 C129.1 C130.1 C131.1 C132.1 C133.1 C134.1 C135.1 C136.1 C137.1 C138.1 C139.1 C140.1 C141.1 C142.1 C143.1 C144.1 C145.1 C146.1 C147.1 C148.1 C149.1 C150.1 C151.1 C152.1 C153.1 C154.1 C155.1 C156.1 C157.1 C158.1 C159.1 C160.1 C161.1 C162.1 C163.1 C164.1 C165.1 C166.1 C167.1 C168.1 C169.1 C170.1 C171.1 C172.1 C173.1 C174.1 C175.1 C176.1 C177.1 C178.1 C179.1 C180.1 C181.1 C182.1 C183.1 C184.1 C185.1 C186.1 C187.1 C188.1 C189.1 C190.1 C191.1 C192.1 C193.1 C194.1 C195.1 C196.1 C197.1 C198.1 C199.1 C200.1 C201.1 C202.1 C203.1 C204.1 C205.1 C206.1 C207.1 C208.1 C209.1 C210.1 C211.1 C212.1 C213.1 C214.1 C215.1 C216.1 C217.1 C218.1 C219.1 C220.1 C221.1 C222.1 C223.1 C224.1 C225.1 C226.1 C227.1 C228.1 C229.1 C230.1 C231.1 C232.1 C233.1 C234.1 C235.1 C236.1 C237.1 C238.1 C239.1 C240.1 C241.1 C242.1 C243.1 C244.1 C245.1 C246.1 C247.1 C248.1 C249.1 C250.1 C251.1 C252.1 C253.1 C254.1 C255.1 C256.1 C257.1 C258.1 C259.1 C260.1 C261.1 C262.1 C263.1 C264.1 C265.1 C266.1 C267.1 C268.1 C269.1 C270.1 C271.1 C272.1 C273.1 C274.1 C275.1 C276.1 C277.1 C278.1 C279.1 C280.1 C281.1 C282.1 C283.1 C284.1 C285.1 C286.1 C287.1 C288.1 C289.1 C290.1 C291.1 C292.1 C293.1 C294.1 C295.1 C296.1 C297.1 C298.1 C299.1 C300.1 C301.1 C302.1 C303.1 C304.1 C305.1 C306.1 C307.1 C308.1 C309.1 C310.1 C311.1 C312.1 C313.1 C314.1 C315.1 C316.1 C317.1 C318.1 C319.1 C320.1 C321.1 C322.1 C323.1 C324.1 C325.1 C326.1 C327.1 C328.1 C329.1 C330.1 C331.1 C332.1 C333.1 C334.1 C335.1 C336.1 C337.1 C338.1 C339.1 C340.1 J1.17 J1.20 J1.30 J1.49 J2.17 J2.20 J2.30 J2.49 J3.17 J3.20 J3.30 J3.49 J4.17 J4.20 J4.30 J4.49 J5.17 J5.20 J5.30 J5.49 J6.17 J6.20 J6.30 J6.49 J7.17 J7.20 J7.30 J7.49 J8.17 J8.20 J8.30 J8.49 J9.17 J9.20 J9.30 J9.49 J10.17 J10.20 J10.30 J10.49 J11.17 J11.20 J11.30 J11.49 J12.17 J12.20 J12.30 J12.49 J13.17 J13.20 J13.30 J13.49 J14.17 J14.20 J14.30 J14.49 J15.17 J15.20 J15.30 J15.49 J16.17 J16.20 J16.30 J16.49 J17.17 J17.20 J17.30 J17.49 J18.17 J18.20 J18.30 J18.49 J19.17 J19.20 J19.30 J19.49 J20.17 J20.20 J20.30 J20.49 OSC1.1 OSC1.4 OSC2.1 OSC2.4 OSC3.1 OSC3.4 OSC4.1 OSC4.4 OSC5.1 OSC5.4 OSC6.1 OSC6.4 OSC7.1 OSC7.4 OSC8.1 OSC8.4 OSC9.1 OSC9.4 OSC10.1 OSC10.4 OSC11.1 OSC11.4 OSC12.1 OSC12.4 OSC13.1 OSC13.4 OSC14.1 OSC14.4 OSC15.1 OSC15.4 OSC16.1 OSC16.4 OSC17.1 OSC17.4 OSC18.1 OSC18.4 OSC19.1 OSC19.4 OSC20.1 OSC20.4 U1.2 U1.4 U1.20 U1.22 U1.34 U1.36 U1.47 U1.49 U1.50 U1.51 U1.52 U1.59 U1.63 U1.69 U1.75 U1.77 U1.84 U1.85 U1.89 U2.E4 U3.4 U4.4 U4.5 U4.6 U5.3 U6.2 U6.4 U6.20 U6.22 U6.34 U6.36 U6.47 U6.49 U6.50 U6.51 U6.52 U6.59 U6.63 U6.69 U6.75 U6.77 U6.84 U6.85 U6.89 U7.E4 U8.4 U9.4 U9.5 U9.6 U10.3 U11.2 U11.4 U11.20 U11.22 U11.34 U11.36 U11.47 U11.49 U11.50 U11.51 U11.52 U11.59 U11.63 U11.69 U11.75 U11.77 U11.84 U11.85 U11.89 U12.E4 U13.4 U14.4 U14.5 U14.6 U15.3 U16.2 U16.4 U16.20 U16.22 U16.34 U16.36 U16.47 U16.49 U16.50 U16.51 U16.52 U16.59 U16.63 U16.69 U16.75 U16.77 U16.84 U16.85 U16.89 U17.E4 U18.4 U19.4 U19.5 U19.6 U20.3 U21.2 U21.4 U21.20 U21.22 U21.34 U21.36 U21.47 U21.49 U21.50 U21.51 U21.52 U21.59 U21.63 U21.69 U21.75 U21.77 U21.84 U21.85 U21.89 U22.E4 U23.4 U24.4 U24.5 U24.6 U25.3 U26.2 U26.4 U26.20 U26.22 U26.34 U26.36 U26.47 U26.49 U26.50 U26.51 U26.52 U26.59 U26.63 U26.69 U26.75 U26.77 U26.84 U26.85 U26.89 U27.E4 U28.4 U29.4 U29.5 U29.6 U30.3 U31.2 U31.4 U31.20 U31.22 U31.34 U31.36 U31.47 U31.49 U31.50 U31.51 U31.52 U31.59 U31.63 U31.69 U31.75 U31.77 U31.84 U31.85 U31.89 U32.E4 U33.4 U34.4 U34.5 U34.6 U35.3 U36.2 U36.4 U36.20 U36.22 U36.34 U36.36 U36.47 U36.49 U36.50 U36.51 U36.52 U36.59 U36.63 U36.69 U36.75 U36.77 U36.84 U36.85 U36.89 U37.E4 U38.4 U39.4 U39.5 U39.6 U40.3 U41.2 U41.4 U41.20 U41.22 U41.34 U41.36 U41.47 U41.49 U41.50 U41.51 U41.52 U41.59 U41.63 U41.69 U41.75 U41.77 U41.84 U41.85 U41.89 U42.E4 U43.4 U44.4 U44.5 U44.6 U45.3 U46.2 U46.4 U46.20 U46.22 U46.34 U46.36 U46.47 U46.49 U46.50 U46.51 U46.52 U46.59 U46.63 U46.69 U46.75 U46.77 U46.84 U46.85 U46.89 U47.E4 U48.4 U49.4 U49.5 U49.6 U50.3 U51.2 U51.4 U51.20 U51.22 U51.34 U51.36 U51.47 U51.49 U51.50 U51.51 U51.52 U51.59 U51.63 U51.69 U51.75 U51.77 U51.84 U51.85 U51.89 U52.E4 U53.4 U54.4 U54.5 U54.6 U55.3 U56.2 U56.4 U56.20 U56.22 U56.34 U56.36 U56.47 U56.49 U56.50 U56.51 U56.52 U56.59 U56.63 U56.69 U56.75 U56.77 U56.84 U56.85 U56.89 U57.E4 U58.4 U59.4 U59.5 U59.6 U60.3 U61.2 U61.4 U61.20 U61.22 U61.34 U61.36 U61.47 U61.49 U61.50 U61.51 U61.52 U61.59 U61.63 U61.69 U61.75 U61.77 U61.84 U61.85 U61.89 U62.E4 U63.4 U64.4 U64.5 U64.6 U65.3 U66.2 U66.4 U66.20 U66.22 U66.34 U66.36 U66.47 U66.49 U66.50 U66.51 U66.52 U66.59 U66.63 U66.69 U66.75 U66.77 U66.84 U66.85 U66.89 U67.E4 U68.4 U69.4 U69.5 U69.6 U70.3 U71.2 U71.4 U71.20 U71.22 U71.34 U71.36 U71.47 U71.49 U71.50 U71.51 U71.52 U71.59 U71.63 U71.69 U71.75 U71.77 U71.84 U71.85 U71.89 U72.E4 U73.4 U74.4 U74.5 U74.6 U75.3 U76.2 U76.4 U76.20 U76.22 U76.34 U76.36 U76.47 U76.49 U76.50 U76.51 U76.52 U76.59 U76.63 U76.69 U76.75 U76.77 U76.84 U76.85 U76.89 U77.E4 U78.4 U79.4 U79.5 U79.6 U80.3 U81.2 U81.4 U81.20 U81.22 U81.34 U81.36 U81.47 U81.49 U81.50 U81.51 U81.52 U81.59 U81.63 U81.69 U81.75 U81.77 U81.84 U81.85 U81.89 U82.E4 U83.4 U84.4 U84.5 U84.6 U85.3 U86.2 U86.4 U86.20 U86.22 U86.34 U86.36 U86.47 U86.49 U86.50 U86.51 U86.52 U86.59 U86.63 U86.69 U86.75 U86.77 U86.84 U86.85 U86.89 U87.E4 U88.4 U89.4 U89.5 U89.6 U90.3 U91.2 U91.4 U91.20 U91.22 U91.34 U91.36 U91.47 U91.49 U91.50 U91.51 U91.52 U91.59 U91.63 U91.69 U91.75 U91.77 U91.84 U91.85 U91.89 U92.E4 U93.4 U94.4 U94.5 U94.6 U95.3 U96.2 U96.4 U96.20 U96.22 U96.34 U96.36 U96.47 U96.49 U96.50 U96.51 U96.52 U96.59 U96.63 U96.69 U96.75 U96.77 U96.84 U96.85 U96.89 U97.E4 U98.4 U99.4 U99.5 U99.6 U100.3
Board_15-GPIO_0: J1.58 J2.58 J3.58 J4.58 J5.58 J6.58 J7.58 J8.58 J9.58 J10.58 J11.58 J12.58 J13.58 J14.58 J15.58 J16.58 J17.58 J18.58 J19.58 J20.58 U1.74 U6.74 U11.74 U16.74 U21.74 U26.74 U31.74 U36.74 U41.74 U46.74 U51.74 U56.74 U61.74 U66.74 U71.74 U76.74 U81.74 U86.74 U91.74 U96.74
Board_15-GPIO_1: J1.57 J2.57 J3.57 J4.57 J5.57 J6.57 J7.57 J8.57 J9.57 J10.57 J11.57 J12.57 J13.57 J14.57 J15.57 J16.57 J17.57 J18.57 J19.57 J20.57 U1.73 U6.73 U11.73 U16.73 U21.73 U26.73 U31.73 U36.73 U41.73 U46.73 U51.73 U56.73 U61.73 U66.73 U71.73 U76.73 U81.73 U86.73 U91.73 U96.73
Board_15-GPIO_2: J1.56 J2.56 J3.56 J4.56 J5.56 J6.56 J7.56 J8.56 J9.56 J10.56 J11.56 J12.56 J13.56 J14.56 J15.56 J16.56 J17.56 J18.56 J19.56 J20.56 U1.72 U6.72 U11.72 U16.72 U21.72 U26.72 U31.72 U36.72 U41.72 U46.72 U51.72 U56.72 U61.72 U66.72 U71.72 U76.72 U81.72 U86.72 U91.72 U96.72